# Altium PCB WinterLab.PcbDoc
Units mil, origin at the board's own origin, x right, y up, seen from the top; angles counter-clockwise.
Board outline 2500 x 1300 mil, 4 copper layers (Top Layer, Signal Layer 1, Signal Layer 2, Bottom Layer), stack 30.634 mil thick; 83 components, 53 nets, 279 pads, 81 vias.
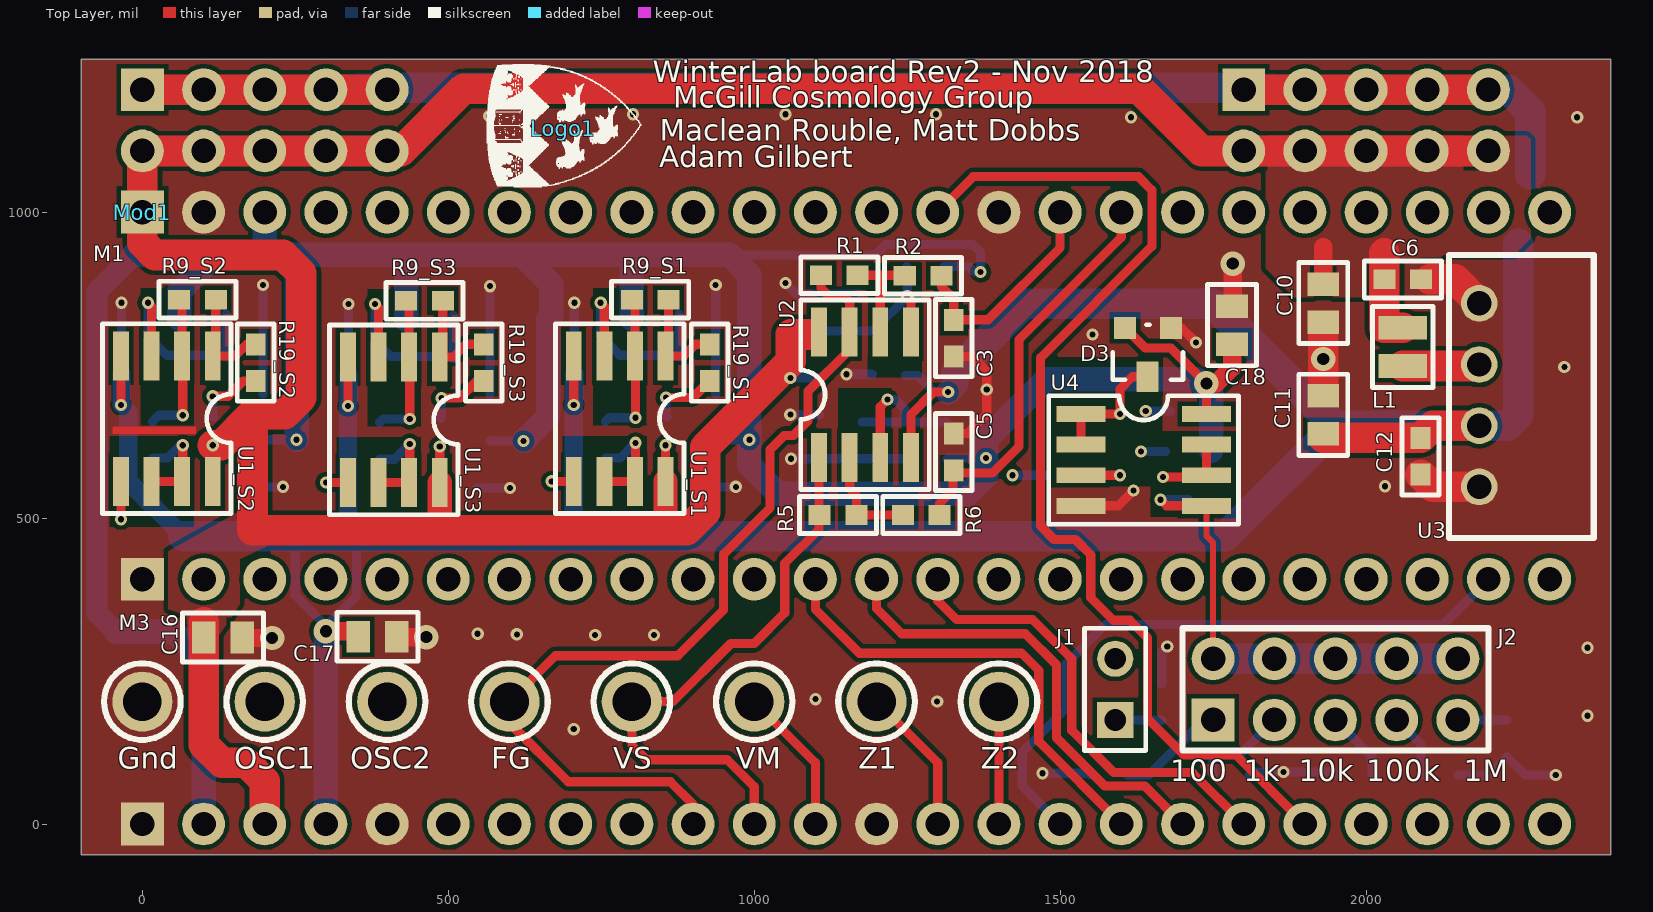
[diagram p0: Top Layer view]
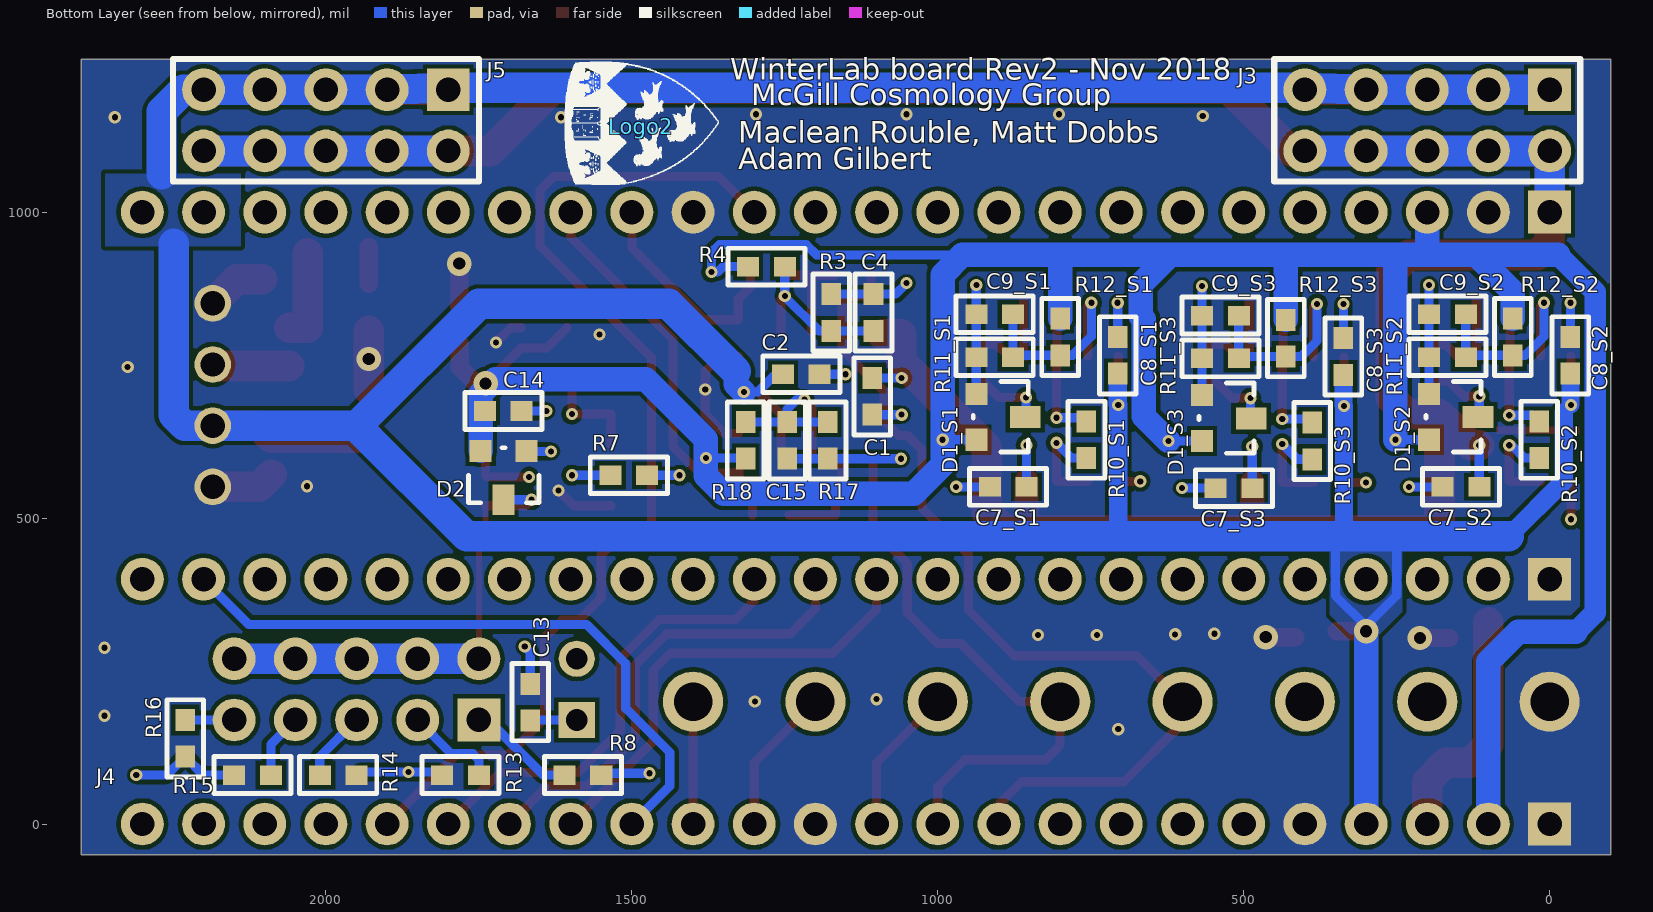
[diagram p1: Bottom Layer view, seen from below]
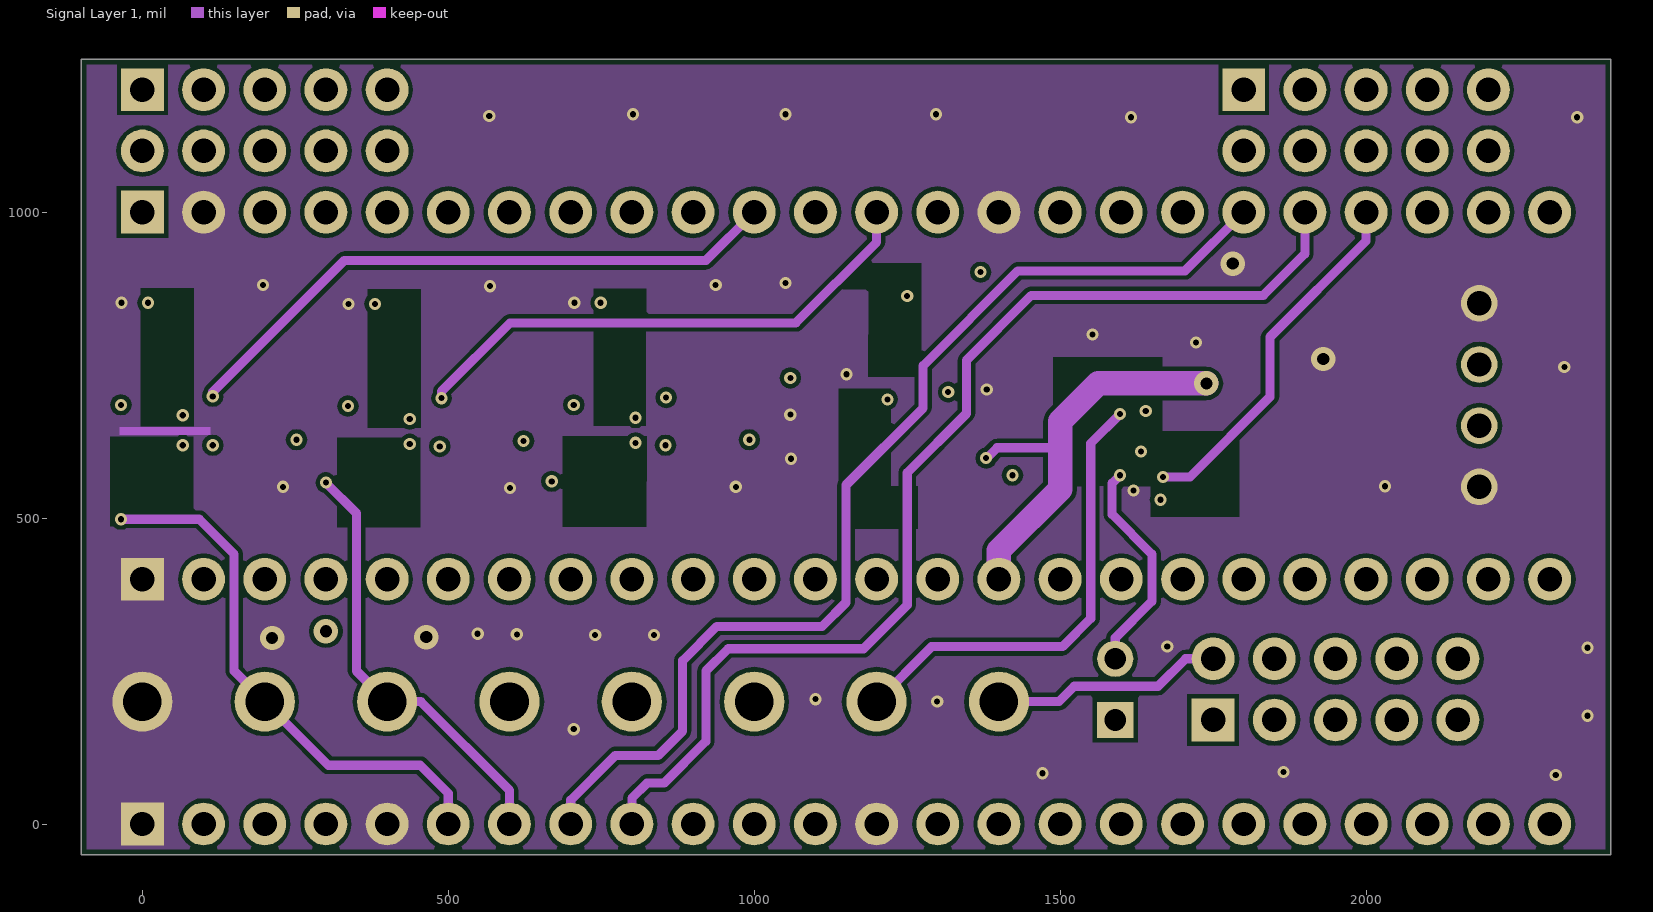
[diagram p2: Signal Layer 1]
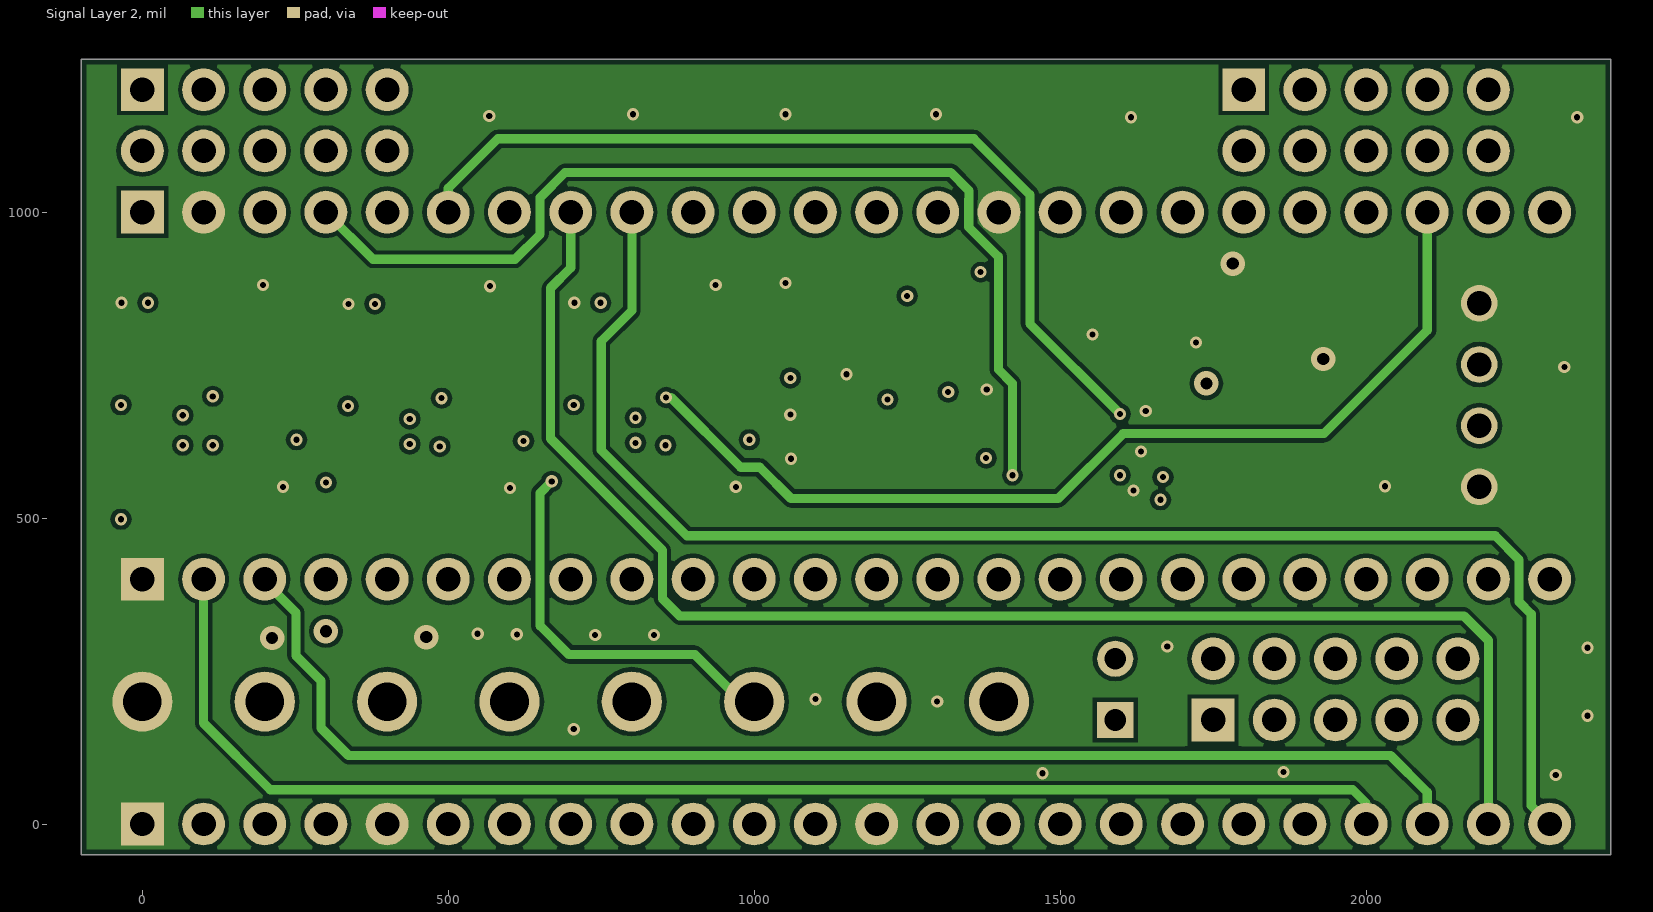
[diagram p3: Signal Layer 2]

## Layer stack, top to bottom
Top Solder: solder mask 0.4, Solder Resist, Dk 3.5
Top Layer: signal copper 1.4
Dielectric 1: core 10, FR-4, Dk 4.2
Signal Layer 1: signal copper 1.417
Dielectric 3: prepreg 5, Dk 4.2
Signal Layer 2: signal copper 1.417
Dielectric 2: core 10, Dk 4.2
Bottom Layer: signal copper 1.4
Bottom Solder: solder mask 0.4, Solder Resist, Dk 3.5

## Board outline
-100,-50 -100,1250 2400,1250 2400,-50

## Design rules (kind name [scope] priority, off if disabled: settings)
Clearance Clearance_Polygon [All vs (ObjectKind = 'Poly')] p1: gap=10 ignorepadtopadclearanceinfootprint=FALSE
Clearance [All] p2: gap=7 ignorepadtopadclearanceinfootprint=FALSE
MinimumSolderMaskSliver [All] p1: minsoldermaskwidth=5
PolygonConnect [All] p1: connectstyle=Direct reliefconductorwidth=10 reliefentries=4 polygonreliefangle="90 Angle" airgapwidth=10
RoomDefinition S4 [InComponentClass('S4')] p1: confinementstyle=ConfineIn formatcopy=TRUE lockcomponents=FALSE outline 1060,461 1370,461 1370,955 1060,955
RoomDefinition S3 [InComponentClass('S3')] p2: confinementstyle=ConfineIn formatcopy=TRUE lockcomponents=FALSE outline 649,899 292,899 292,491 649,491
RoomDefinition S2 [InComponentClass('S2')] p3: confinementstyle=ConfineIn formatcopy=TRUE lockcomponents=FALSE outline 278,901 -79,901 -79,493 278,493
RoomDefinition S1 [InComponentClass('S1')] p4: confinementstyle=ConfineIn formatcopy=TRUE lockcomponents=FALSE outline 1018,901 661,901 661,493 1018,493
RoomDefinition ME1 [InComponentClass('ME1')] p5: confinementstyle=ConfineIn formatcopy=TRUE lockcomponents=FALSE outline 1428,36 2274,36 2274,843 1428,843
RoutingVias [All] p1: holewidth=10 width=20 viastyle="Through Hole" minholewidth=10 minwidth=20 maxholewidth=100 maxwidth=100
SilkToSilkClearance [All] p1: silktosilkclearance=0
SilkToSolderMaskClearance [IsPad] p1: minsilkscreentomaskgap=5 clearancetoexposedcopper=TRUE
SolderMaskExpansion [All] p1: expansion=4
Width [All] p1: maxlimit=200 minlimit=7 preferedwidth=15
27 further rules are at their usual default settings.

## Classes and differential pairs
channel class LevelShiftADC: S1 S2 S3
component class S4: C1 C2 C3 C4 C5 C15 R1 R2 R3 R4 R5 R6 R17 R18 U2
component class S3: C7_S3 C8_S3 C9_S3 D1_S3 R9_S3 R10_S3 R11_S3 R12_S3 R19_S3 U1_S3
component class S2: C7_S2 C8_S2 C9_S2 D1_S2 R9_S2 R10_S2 R11_S2 R12_S2 R19_S2 U1_S2
component class S1: C7_S1 C8_S1 C9_S1 D1_S1 R9_S1 R10_S1 R11_S1 R12_S1 R19_S1 U1_S1
component class ME1: C13 C14 D2 D3 J1 J2 R7 R8 R13 R14 R15 R16 U4
component class TopLevel: C6 C10 C11 C12 C16 C17 C18 FG Gnd J3 J4 J5 L1 Logo1 Logo2 M1 M3 Mod1 OSC1 OSC2 U3 VM VS Z1 Z2

## Components (designator, comment, footprint, x,y, rotation, side; value= is the part's Value field where it differs from the comment)
C1 "0.1uF" 0603 1107,669 r90 bottom value="0.1uF 25V"
C2 "0.1uF" 0603 1253,735 r180 bottom value="0.1uF 25V"
C3 "47pF" 0603 1326,764 r90 top value="47pF 16V"
C4 "0.1uF" 0603 1105,866 r270 bottom value="0.1uF 25V"
C5 "47pF" 0603 1326,638 r270 top value="47pF 16V"
C6 "330pF" 0603 2030,890 r0 top value="330pF, 50V"
C7_S1 "0.1uF" 0603 915,551 r180 bottom value="0.1uF 25V" (schematic designator C7)
C7_S2 "0.1uF" 0603 175,551 r180 bottom value="0.1uF 25V" (schematic designator C7)
C7_S3 "0.1uF" 0603 546,549 r180 bottom value="0.1uF 25V" (schematic designator C7)
C8_S1 "0.1uF" 0603 706,736 r90 bottom value="0.1uF 25V" (schematic designator C8)
C8_S2 "0.1uF" 0603 -34,736 r90 bottom value="0.1uF 25V" (schematic designator C8)
C8_S3 "0.1uF" 0603 337,734 r90 bottom value="0.1uF 25V" (schematic designator C8)
C9_S1 "0.1uF" 0603 937,833 r180 bottom value="0.1uF 25V" (schematic designator C9)
C9_S2 "0.1uF" 0603 197,833 r180 bottom value="0.1uF 25V" (schematic designator C9)
C9_S3 "0.1uF" 0603 568,831 r180 bottom value="0.1uF 25V" (schematic designator C9)
C10 "10uF" 0805 1930,820 r90 top value="10uF 16V"
C11 "10uF" 0805 1930,637.5 r90 top value="10uF 16V"
C12 "330pF" 0603 2089,571 r90 top value="330pF, 50V"
C13 "0.1uF" 0603 1666,229 r270 bottom value="0.1uF 25V"
C14 "0.1uF" 0603 1680,675 r0 bottom value="0.1uF 25V"
C15 "0.1uF" 0603 1246,597 r90 bottom value="0.1uF 25V"
C16 "10uF" 0805 163,305 r180 top value="10uF 16V"
C17 "10uF" 0805 415.5,306 r180 top value="10uF 16V"
C18 "10uF" 0805 1781,846.5 r270 top value="10uF 16V"
D1_S1 "BAT54SLT1G" SOT23 857,665 r270 bottom (schematic designator D1)
D1_S2 "BAT54SLT1G" SOT23 117,665 r270 bottom (schematic designator D1)
D1_S3 "BAT54SLT1G" SOT23 488,663 r270 bottom (schematic designator D1)
D2 "BAT54SLT1G" SOT23 1710,530 r0 bottom
D3 "BAT54SLT1G" SOT23 1643,731 r180 top
FG "Test Point" TESTPOINT 600,200 r0 top
Gnd "Long Green Test Point" TESTPOINT 0,200 r0 top
J1 "Header 2pin 0.1\"" HDR1X2 1590,170 r90 top
J2 "Header 2 x 5pin 0.1\"" Header2x5 1750,170 r0 top
J3 "Header 2 x 5pin 0.1\"" Header2x5 0,1200 r0 bottom
J4 "24 Pin Header" HEADER24MALE 0,0 r0 bottom
J5 "Header 2 x 5pin 0.1\"" Header2x5 1800,1200 r0 bottom
L1 "22uH" 0806 2060,811 r270 top value="22uH, 240mA, 2.3 Ohm"
Logo1 "McGillLogo" McGillLogo1 688,1136 r90 top
Logo2 "McGillLogo" McGillLogo1 1485,1140 r90 bottom
M1 "Teensy 3.6 SideB" HEADER24FEMALE 0,1000 r0 top
M3 "Teensy 3.6 SideA" HEADER24FEMALE 0,400 r0 top locked
Mod1 "Teensy 3.6 3D model" "Teensy3.6 Model No pins" 0,1000 r270 top locked
OSC1 "Test Point" TESTPOINT 200,200 r0 top
OSC2 "Test Point" TESTPOINT 400,200 r180 top
R1 "Res0603" 0603 1169,897 r180 top value=3k
R2 "Res0603" 0603 1306,896 r180 top value=1k
R3 "Res0603" 0603 1174,866 r270 bottom value=1.21k
R4 "Res0603" 0603 1250,911 r0 bottom value=2k
R5 "Res0603" 0603 1167,505 r180 top value=3k
R6 "Res0603" 0603 1303,505 r180 top value=1k
R7 "Res0603" 0603 1535,570 r180 bottom value=1k
R8 "Res0603" 0603 1550,80 r0 bottom value=100
R9_S1 "Res0603" 0603 800,857 r0 top value=1k (schematic designator R9)
R9_S2 "Res0603" 0603 60,857 r0 top value=1k (schematic designator R9)
R9_S3 "Res0603" 0603 431,855 r0 top value=1k (schematic designator R9)
R10_S1 "Res0603" 0603 757,598 r90 bottom value=3k (schematic designator R10)
R10_S2 "Res0603" 0603 17,598 r90 bottom value=3k (schematic designator R10)
R10_S3 "Res0603" 0603 388,596 r90 bottom value=3k (schematic designator R10)
R11_S1 "Res0603" 0603 937,763 r180 bottom value=1.21k (schematic designator R11)
R11_S2 "Res0603" 0603 197,763 r180 bottom value=1.21k (schematic designator R11)
R11_S3 "Res0603" 0603 568,761 r180 bottom value=1.21k (schematic designator R11)
R12_S1 "Res0603" 0603 800,766 r90 bottom value=2k (schematic designator R12)
R12_S2 "Res0603" 0603 60,766 r90 bottom value=2k (schematic designator R12)
R12_S3 "Res0603" 0603 431,764 r90 bottom value=2k (schematic designator R12)
R13 "Res0603" 0603 1810,80 r180 bottom value=1k
R14 "Res0603" 0603 1950,80 r0 bottom value=10k
R15 "Res0603" 0603 2150,80 r180 bottom value=100k
R16 "Res0603" 0603 2230,110 r90 bottom value=1M
R17 "Res0603" 0603 1180,597 r90 bottom value=1.21k
R18 "Res0603" 0603 1314,657 r270 bottom value=2k
R19_S1 "Res0603" 0603 927,784 r270 top value=100 (schematic designator R19)
R19_S2 "Res0603" 0603 185,784 r270 top value=100 (schematic designator R19)
R19_S3 "Res0603" 0603 558,784 r270 top value=100 (schematic designator R19)
U1_S1 "LT6231CS8#PBF" SO8 855,765 r270 top (schematic designator U1)
U1_S2 "LT6231CS8#PBF" SO8 115,765 r270 top locked (schematic designator U1)
U1_S3 "LT6231CS8#PBF" SO8 486,763 r270 top (schematic designator U1)
U2 "LT6231CS8#PBF" SO8 1106,599 r90 top locked
U3 "RFM-0505S" RFM-0505S 2185,851 r270 top
U4 "LT6231CS8#PBF" SO8 1534,670 r0 top locked
VM "Test Point" TESTPOINT 1000,200 r0 top
VS "Test Point" TESTPOINT 800,200 r0 top
Z1 "Test Point" TESTPOINT 1200,200 r0 top
Z2 "Test Point" TESTPOINT 1400,200 r0 top

## Footprints (in the part's own frame and the unit in brackets; to place one, negate y for a bottom-side part, rotate by r counter-clockwise, add the part's x,y. Pads: shape width x height; smd on the part's side, far side on the other; paste and mask are expansions set on the pad)
0603 [mil]
  rect 36x32 smd: 1(0,0) 2(60,0)
  silkscreen extent -33,-30 93,30
0805 [mil]
  rect 38.5x52 smd: 1(0,0) 2(62.5,0)
  silkscreen extent -35,-40 98,40
0806 [mil]
  rect 38.5x78.74 smd: 1(0,0) 2(62.5,0)
  silkscreen extent -35,-49 98,49
HDR1X2 [mm] "Connector; Header; 2 Position"
  rect 1.5x1.5 hole 0.9: 1(0,0)
  round 1.5 hole 0.9: 2(2.54,0)
  silkscreen extent -1.27,-1.27 3.81,1.27
Header2x5 [mil]
  rect 70x70 hole 40: 1(0,0)
  round 70 hole 40: 2(0,100) 3(100,0) 4(100,100) 5(200,0) 6(200,100) 7(300,0) 8(300,100) 9(400,0) 10(400,100)
  silkscreen extent -50,-50 450,150, body extent -46,-54 454,146, height 336
HEADER24FEMALE [mil] "Header24Female"
  rect 70x70 hole 40: 1(0,0)
  round 70 hole 40: 2(100,0) 3(200,0) 4(300,0) 5(400,0) 6(500,0) 7(600,0) 8(700,0) 9(800,0) 10(900,0) 11(1000,0) 12(1100,0) 13(1200,0) 14(1300,0) 15(1400,0) 16(1500,0) 17(1600,0) 18(1700,0) 19(1800,0) 20(1900,0) 21(2000,0) 22(2100,0) 23(2200,0) 24(2300,0)
  body extent -60,-50 2360,50, height 335
HEADER24MALE [mil] "Header24Male"
  rect 70x70 hole 40: 1(0,0)
  round 70 hole 40: 2(100,0) 3(200,0) 4(300,0) 5(400,0) 6(500,0) 7(600,0) 8(700,0) 9(800,0) 10(900,0) 11(1000,0) 12(1100,0) 13(1200,0) 14(1300,0) 15(1400,0) 16(1500,0) 17(1600,0) 18(1700,0) 19(1800,0) 20(1900,0) 21(2000,0) 22(2100,0) 23(2200,0) 24(2300,0)
  body extent -50,-50 2350,50, height 336
McGillLogo1 [mil] "McGillLogo"
  silkscreen extent -95,-127 106,124
RFM-0505S [mil]
  round 60 hole 40: 1(0,0) 2(100,0) 3(200,0) 4(300,0)
  silkscreen extent -79,-49 384,187, body extent -78,-49 383,186, height 394
SO8 [mil]
  rect 80x26 smd: 1(0,0) 2(0,-50) 3(0,-100) 4(0,-150) 5(205,-150) 6(205,-100) 7(205,-50) 8(205,0)
  silkscreen extent -53,-180 258,30
SOT23 [mil]
  rect 36x36 smd: 1(-38,-80) 2(37,-80)
  rect 36x50 smd: 3(0,0)
  silkscreen extent -58,-85 57,5
"Teensy3.6 Model No pins" [mil]
  body extent -50,-65 650,2350, height 607
TESTPOINT [mm] "Test Point with Loop - 1.6mm hole"
  round 2.5 hole 1.6: 0(0,0)
  silkscreen extent -1.59,-1.59 1.59,1.59, body extent -1.6,-1.59 1.57,1.58, height 8.13

## Part data
C1 C2 C4 C7_S1 C7_S2 C7_S3 C8_S1 C8_S2 C8_S3 C9_S1 C9_S2 C9_S3 C13 C14 C15: library part Cap0603, "Capacitor, Ceramic, 0603", Manufacturer="Samsung Electro-Mechanics", Manufacturers Part Number=CL10A104KA8NNNC, Supplier Part Number 1=1276-1857-1-ND, Assembly Comments=none, Loaded=True, Part constraints=CL10A104KA8NNNC, Supplier 1=Digi-Key, SupplierUnitCost=$0.02092
C3 C5: library part Cap0603, "Capacitor, Ceramic, 0603", Manufacturer="Wurth Electronics Inc.", Manufacturers Part Number=885012006021, Supplier Part Number 1=732-7764-1-ND, Assembly Comments=none, Loaded=True, Part constraints=885012006021, Supplier 1=Digi-Key, SupplierUnitCost=$0.02990
C6 C12: library part Cap0603, "Capacitor, Ceramic, 0603", Manufacturer=Yageo, Manufacturers Part Number=CC0603KRX7R9BB331, Supplier Part Number 1=311-1186-1-ND, Assembly Comments=none, Loaded=True, Part constraints=CC0603KRX7R9BB331, Supplier 1=Digi-Key, SupplierUnitCost=$0.0449
C10 C11 C16 C17 C18: library part Cap0805, "0805", Manufacturer="Taiyo Yuden", Manufacturers Part Number=EMK212BJ106KG-T, Supplier Part Number 1=587-1295-1-ND, Assembly Comments=none, Loaded=True, Part constraints=EMK212BJ106KG-T, Supplier 1=Digi-Key, SupplierUnitCost=$0.078
D1_S1 D1_S2 D1_S3 D2 D3: library part DiodeClamp, Manufacturer="ON Semiconductor", Supplier Part Number 1=BAT54SLT1GOSCT-ND, Assembly Comments=none, Loaded=True, Manufacturers Part Number=BAT54SLT1G, Part constraints=BAT54SLT1G, Supplier 1=Digi-Key, SupplierUnitCost=$0.132
FG: library part TestPoint, Manufacturer="Keystone Electronics", Manufacturers Part Number="Red - 5005", Supplier Part Number 1=36-5005-ND, Assembly Comments=none, Loaded=True, Param=Red, Part constraints=5005, Supplier 1=Digi-Key, SupplierUnitCost=$0.15
Gnd: library part TestPoint, "Test Point", Manufacturer="Keystone Electronics", Manufacturers Part Number="Green - 5126", Supplier Part Number 1=36-5126-ND, Assembly Comments=none, Loaded=True, Param=Green, Part constraints=5126, Supplier 1=Digi-Key, SupplierUnitCost=$0.15
J1: library part Header2, "Header, 0.1\", 2-Pin straight (Any equivalent - may need to be value added)", Manufacturer="Wurth Electronics Inc.", Manufacturers Part Number=61300211121, Supplier Part Number 1=732-5315-ND, Assembly Comments=none, Loaded=True, Part constraints=61300211121, Supplier 1=Digi-Key, SupplierUnitCost=$0.10480
J2 J3 J5: library part Header2x5, "Header, 0.1\", 2 row 5 pins", Manufacturer="Wurth Electronics Inc.", Manufacturers Part Number=61301021121, Supplier Part Number 1=732-2672-ND, Assembly Comments=none, Loaded=True, Part constraints=61301021121, Supplier 1=Digi-Key, SupplierUnitCost=$1.11012
J4: Manufacturer="Wurth Electronics Inc.", Manufacturers Part Number=61302411121, Supplier Part Number 1=732-5331-ND, Assembly Comments=none, Loaded=True, Part constraints=61302411121, Supplier 1=Digi-Key, SupplierUnitCost=$0.93
L1: library part CBC2016T220M, "0805", Manufacturer="Taiyo Yuden", Supplier Part Number 1=587-1609-1-ND, Assembly Comments=none, Loaded=True, Manufacturers Part Number=CBC2016T220M, Part constraints=CBC2016T220M, Supplier 1=Digi-Key, SupplierUnitCost=$0.23
Logo1 Logo2: library part Logo
M1: "Teensy 3.6 SideA", Manufacturer="Sullins Connector Solutions", Manufacturers Part Number=PPPC241LFBN-RC, Supplier Part Number 1=S7057-ND, Assembly Comments=none, Loaded=True, Part constraints=PPPC241LFBN-RC, Supplier 1=Digi-Key, SupplierUnitCost=$1.57
M3: Manufacturer="Sullins Connector Solutions", Manufacturers Part Number=PPPC241LFBN-RC, Supplier Part Number 1=S7057-ND, Assembly Comments=none, Loaded=True, Part constraints=PPPC241LFBN-RC, Supplier 1=Digi-Key, SupplierUnitCost=$1.57
Mod1: Manufacturer="SparkFun Electronics", Manufacturers Part Number=DEV-14058, Supplier Part Number 1=1568-1465-ND, Assembly Comments=none, Loaded=True, Part constraints=DEV-14058, Supplier 1=Digi-Key, SupplierUnitCost=$55.61
OSC1 OSC2: library part TestPoint, Manufacturer="Keystone Electronics", Manufacturers Part Number="Purple - 5124", Supplier Part Number 1=36-5124-ND, Assembly Comments=none, Loaded=True, Param=Purple, Part constraints=5124, Supplier 1=Digi-Key, SupplierUnitCost=$0.15
R1 R5 R10_S1 R10_S2 R10_S3: "Resistor", Manufacturer="Vishay Dale", Manufacturers Part Number=CRCW06033K00FKEAC, Supplier Part Number 1=541-4040-1-ND, Assembly Comments=none, Loaded=True, Part constraints=CRCW06033K00FKEAC, Supplier 1=Digi-Key, SupplierUnitCost=$0.018
R2 R6 R7 R9_S1 R9_S2 R9_S3 R13: "Resistor", Manufacturer=Yageo, Manufacturers Part Number=RC0603FR-071KL, Supplier Part Number 1=311-1.00KHRCT-ND, Assembly Comments=none, Loaded=True, Part constraints=RC0603FR-071KL, Supplier 1=Digi-Key, SupplierUnitCost=$0.016
R3 R11_S1 R11_S2 R11_S3 R17: "Resistor", Manufacturer=Yageo, Manufacturers Part Number=RMCF0603FT1K21, Supplier Part Number 1=RMCF0603FT1K21CT-ND, Assembly Comments=none, Loaded=True, Part constraints=RMCF0603FT1K21, Supplier 1=Digi-Key, SupplierUnitCost=$0.0107
R4 R12_S1 R12_S2 R12_S3 R18: "Resistor", Manufacturer="Vishay Dale", Manufacturers Part Number=CRCW06032K00FKEAC, Supplier Part Number 1=541-3953-1-ND, Assembly Comments=none, Loaded=True, Part constraints=CRCW06032K00FKEAC, Supplier 1=Digi-Key, SupplierUnitCost=$0.01180
R8 R19_S1 R19_S2 R19_S3: "Resistor", Manufacturer=Yageo, Manufacturers Part Number=RC0603FR-07100RL, Supplier Part Number 1=311-100HRCT-ND, Assembly Comments=none, Loaded=True, Part constraints=RC0603FR-07100RL, Supplier 1=Digi-Key, SupplierUnitCost=$0.016
R14: "Resistor", Manufacturer=Yageo, Manufacturers Part Number=RC0603FR-0710KL, Supplier Part Number 1=311-10.0KHRCT-ND, Assembly Comments=none, Loaded=True, Part constraints=RC0603FR-0710KL, Supplier 1=Digi-Key, SupplierUnitCost=$0.016
R15: "Resistor", Manufacturer=Yageo, Manufacturers Part Number=AC0603FR-07100KL, Supplier Part Number 1=311-100KLDCT-ND, Assembly Comments=none, Loaded=True, Part constraints=AC0603FR-07100KL, Supplier 1=Digi-Key, SupplierUnitCost=$0.019
R16: "Resistor", Manufacturer=Yageo, Manufacturers Part Number=AC0603FR-071ML, Supplier Part Number 1=311-1MLDCT-ND, Assembly Comments=none, Loaded=True, Part constraints=AC0603FR-071ML, Supplier 1=Digi-Key, SupplierUnitCost=$0.019
U1_S1 U1_S2 U1_S3 U2: library part TSH82IYDT, "Dual R-R Opamp Soic 8 215Mhz GBP", Manufacturer="Linear Technology/Analog Devices", Manufacturers Part Number=LT6231CS8, Supplier Part Number 1=LT6231CS8#PBF-ND, Assembly Comments=none, Loaded=True, Part constraints=LT6231CS8, Supplier 1=Digi-Key, SupplierUnitCost=$3.5
U3: "5V->5V DC-DC converter", Manufacturer="Recom Power", Supplier Part Number 1=945-3159-ND, Assembly Comments=none, Loaded=True, Manufacturers Part Number=RFM-0505S, Part constraints=RFM-0505S, Supplier 1=Digi-Key, SupplierUnitCost=$1.24
U4: library part TSH82IYDT, "Dual R-R Opamp Soic 8 70Mhz GBP", Manufacturer="Linear Technology/Analog Devices", Manufacturers Part Number=LT6231CS8, Supplier Part Number 1=LT6231CS8#PBF-ND, Assembly Comments=none, Loaded=True, Part constraints=LT6231CS8, Supplier 1=Digi-Key, SupplierUnitCost=$3.5
VM: library part TestPoint, Manufacturer="Keystone Electronics", Manufacturers Part Number="Yellow - 5009", Supplier Part Number 1=36-5009-ND, Assembly Comments=none, Loaded=True, Param=Yellow, Part constraints=5009, Supplier 1=Digi-Key, SupplierUnitCost=$0.15
VS: library part TestPoint, Manufacturer="Keystone Electronics", Manufacturers Part Number="Orange - 5008", Supplier Part Number 1=36-5008-ND, Assembly Comments=none, Loaded=True, Param=Orange, Part constraints=5008, Supplier 1=Digi-Key, SupplierUnitCost=$0.15
Z1 Z2: library part TestPoint, Manufacturer="Keystone Electronics", Manufacturers Part Number="Blue - 5122", Supplier Part Number 1=36-5122-ND, Assembly Comments=none, Loaded=True, Param=Blue, Part constraints=5122, Supplier 1=Digi-Key, SupplierUnitCost=$0.15

## Via types
v1: diameter 20, hole 10, Top Layer to Bottom Layer, 75 vias
v2: diameter 40, hole 20, Top Layer to Bottom Layer, 6 vias

## Nets (pads, with @x,y where several pads share a name; then routed paths per layer and width w, separated by ;. In a path a pad name is that pad's centre, name@x,y a point inside that pad or via, vN(x,y) a via of type N, cw(c..) or ccw(c..) an arc to the next point about the centre after c; other vN are vias at no path point)
1.23V_S1: C9_S1.2 R11_S1.2 R12_S1.1 U1_S1.3 | length 356.6
  Top Layer w15: v1(749,852) 755,846 U1_S1.3
  Bottom Layer w15: v1(749,852) 749,797 780,766 R12_S1.1 874,766 R11_S1.2 C9_S1.2
1.23V_S2: C9_S2.2 R11_S2.2 R12_S2.1 U1_S2.3 | length 356.6
  Top Layer w15: v1(9,852) 15,846 U1_S2.3
  Bottom Layer w15: v1(9,852) 9,797 40,766 R12_S2.1 134,766 R11_S2.2 C9_S2.2
1.23V_S3: C9_S3.2 R11_S3.2 R12_S3.1 U1_S3.3 | length 359.5
  Top Layer w15: v1(380,850) 386,844 U1_S3.3
  Bottom Layer w15: v1(380,850) 380,790 406,764 R12_S3.1 505,764 R11_S3.2 C9_S3.2
3V3: C14.2 C18.2 D1_S1.2 D1_S2.2 D1_S3.2 D2.2 D3.2 J4.2 M1.3 M3.15 R4.2 R12_S1.2 R12_S2.2 R12_S3.2 R18.2 U4.8 | length 6217.6
  Top Layer w15: D3.2 1639,778 1681,778 v2(1739,720) U4.8
  Top Layer w30: v2(1739,720) 1755,720 1781,746 C18.2
  Signal Layer 1 w15: v1(1379,598) 1380,598 1397,615 1500,615
  Signal Layer 1 w40: M3.15 1400,447 1500,547 1500,615 1500,658 1562,720 v2(1739,720)
  Bottom Layer w15: D1_S2.2@198,629 D1_S2.2 v1(252,628) ; D1_S3.2@569,627 D1_S3.2 v1(623,626) ; D1_S1.2@938,629 D1_S1.2 v1(992,628) ; 960,930 1198,930 1215,947 1357,947 1370,934 v1(1370,902) 1360,902 1351,911 R4.2 ; R18.2@1315,596 1317,598 v1(1379,598)
  Bottom Layer w35: -43,314 -74.5,345.5 -74.5,869.5 -14,930
  Bottom Layer w40: -43,314 51,314 100,265 J4.2 ; -14,930 120,930 ; R12_S2.2 60,870 120,930 ; 200,933 M1.3 ; v1(252,628) 252,922 260,930 ; R12_S3.2 431,929 430,930 ; v1(623,626) 663,666 663,702.4 664,703.4 664,705.82 663,706.82 663,825.18 668,830.18 668,882 620,930 ; R12_S1.2 800,920 790,930 ; D2.2 1747,703 1723,727 1477,727 1379,629 v1(1379,598) 1379,569 1350,540 1039,540 992,587 v1(992,628) 992,898 960,930 790,930 ; 120,930 260,930 ; 260,930 430,930 ; 430,930 620,930 ; 620,930 790,930
5V: C1.2 C6.1 C7_S1.2 C7_S2.2 C7_S3.2 C10.2 C16.2 J3.2 J3.4 J3.6 J3.8 J3.10 J4.3 J5.2 J5.4 J5.6 J5.8 J5.10 L1.1 M1.1 U1_S1.8 U1_S2.8 U1_S3.8 U2.8 | length 6533.7
  Top Layer w15: U1_S2.8 v1(115,619) ; U1_S3.8 v1(486,617) ; U1_S1.8 v1(855,619)
  Top Layer w20: v1(1059,729) 1059,755 1059,799 1060,800
  Top Layer w30: C10.2 1930,943
  Top Layer w40: 486,503 U1_S3.8 ; 855,505 U1_S1.8
  Top Layer w50: C16.2@100,330 100,130 130,100 170,100 200,70 J4.3 ; v1(115,619) 129,619 180,670 ; 1090,800 1060,800 1060,756 1059,755 920,616 920,510 890,480 180,480 180,670 ; 2030,933 C6.1 2030,811 L1.1 ; J5.10 J5.8 J5.6 J5.4 J5.2 1731,1100 1629,1202 525,1202 423,1100 J3.10 J3.8 J3.6 J3.4 J3.2 M1.1 0,950 20,930 230,930 260,900 260,697 233,670 180,670
  Bottom Layer w15: C7_S2.2 v1(115,619) ; C7_S3.2 v1(486,617) ; C7_S1.2 v1(855,619) ; v1(1059,729) C1.2
  Bottom Layer w50: M1.1 J3.2 J3.4 J3.6 J3.8 J3.10 ; J5.2 J5.4 J5.6 J5.8 J5.10
CS0: J4.17 M3.12 | length 762.3
  Top Layer w15: M3.12 1100,351 1172,279 1437,279 1465,251 1465,135 J4.17
CS1: J4.16 M3.23 | length 1064.7
  Bottom Layer w15: J4.16 1438,62 1438,117 1510,189 1510,262 1574,326 2126,326 M3.23
DA0: C5.2 M1.17 R6.1 | length 661.4
  Top Layer w15: R6.1 1303,524 1325,546 1325,577 C5.2 1330.5,573.5 1389.15,573.5 1433,617.35 1433,792 1600,959 M1.17
DA1: C3.2 M1.16 R2.1 | length 361.2
  Top Layer w15: R2.1 1306,878 1326,858 C3.2 1382,824 1500,942 M1.16
FG: FG.0 J4.10 R1.2 U2.7 | length 1509.4
  Top Layer w15: J4.10 900,32 863,69 696,69 600,165 FG.0 675,275 875,275 950,350 950,441 1026,517 1026,612 1049,635 1064,635 1088,659 1088,707 1156,775 U2.7 1156,854 1147,863 1122,863 1109,876 R1.2
GND: C1.1 C2.2 C3.1 C4.1 C5.1 C6.2 C7_S1.1 C7_S2.1 C7_S3.1 C8_S1.2 C8_S2.2 C8_S3.2 C9_S1.1 C9_S2.1 C9_S3.1 C10.1 C11.2 C12.1 C13.1 C14.1 C15.1 C16.1 C17.1 C18.1 D1_S1.1 D1_S2.1 D1_S3.1 D2.1 D3.1 Gnd.0 J4.1 J4.5 J4.13 M1.2 M1.15 M3.1 R3.1 R8.1 R11_S1.1 R11_S2.1 R11_S3.1 R13.1 R14.1 R15.1 R16.1 R17.1 U3.1 U3.4 U4.4 | length 2640.3
  Top Layer w15: C16.1 C16.1@164,304 ; C5.1 1348,638 1380,670 v1(1380,710) 1380,740 1356,764 C3.1 ; U4.4 1595,520 v1(1620,545) ; D3.1 1698,811 v1(1722,787)
  Top Layer w30: C16.1@164,304 v2(212,304) ; C17.1@416,305.5 v2(464,305.5) ; C18.1@1782,846.5 v2(1782,916)
  Top Layer w50: C11.2@1930,710 v2(1930,760) C10.1@1930,806 ; C12.1 2109,551 U3.4 ; C6.2@2104,890 2146,890 U3.1
  Bottom Layer w15: C8_S2.2 v1(-34,852) ; C7_S2.1 v1(230,551) ; D1_S2.1 R11_S2.1 C9_S2.1 v1(197,881) ; C8_S3.2 v1(337,850) ; C7_S3.1 v1(601,549) ; D1_S3.1 R11_S3.1 C9_S3.1 v1(568,879) ; C8_S1.2 v1(706,852) ; C7_S1.1 v1(970,551) ; D1_S1.1 R11_S1.1 C9_S1.1 v1(937,881) ; v1(1051,884) 1069,866 C4.1 R3.1 ; v1(1059,669) C1.1 ; v1(1060,597) R17.1 C15.1 ; v1(1151,735) C2.2 ; v1(1471,83) 1547,83 R8.1 ; v1(1632,609) D2.1@1672,609 ; v1(1640,675) C14.1 ; C13.1 1666,281 v1(1675,290) ; R13.1 1815,85 v1(1865,85) 1945,85 R14.1 ; R15.1 2200,80 R16.1 2260,80 v1(2310,80)
  other v1: 705,155 2362,177 1299,200 1100,204 2362,288 740,309 836,309 612,310 548,311 2031,552 2324,747 1553,800 1616,1155 2345,1155 567,1157 802,1160 1051,1160 1297,1160
Imp1adc: D3.3 J4.14 M1.6 U4.1 U4.2 Z1.0 | length 2690.5
  Top Layer w15: Z1.0 1300,100 J4.14 ; U4.2 U4.1 v1(1598,670) 1598,711 1618,731 D3.3
  Signal Layer 1 w15: Z1.0 1290,290 1504,290 1550,336 1550,622 v1(1598,670)
  Signal Layer 2 w15: M1.6 500,1039 581,1120 1359,1120 1450.5,1028.5 1450.5,817.5 v1(1598,670)
Imp2adc: M1.21 U4.6 U4.7 | length 718.5
  Top Layer w15: v1(1668,567) 1736,567 U4.6 U4.7
  Signal Layer 1 w15: v1(1668,567) 1712,567 1843,698 1843,796 2000,953 M1.21
ImpDig: M1.4 R7.2 | length 1737.1
  Signal Layer 2 w15: M1.4 377,923 609,923 650,964 650,1024 691,1065 1321,1065 1351,1035 1351,1021 1350.5,1020.5 1350.5,975.5 1399,927 1399,743 1422,720 v1(1422,570)
  Bottom Layer w15: v1(1422,570) R7.2
MISO0: J4.19 M3.14 | length 754.7
  Top Layer w15: M3.14 1300,365 1331,334 1455,334 1519,270 1519,153 1588,84 1716,84 J4.19
MOSI0: J4.18 M3.13 | length 763.5
  Top Layer w15: M3.13 1200,352 1241,311 1443,311 1494,260 1494,141 1573,62 1638,62 J4.18
N5V: C2.1 C8_S1.1 C8_S2.1 C8_S3.1 C11.1 C12.2 C17.2 J3.1 J3.3 J3.5 J3.7 J3.9 J4.4 J5.1 J5.3 J5.5 J5.7 J5.9 U1_S1.4 U1_S2.4 U1_S3.4 U2.4 U3.3 | length 8811.9
  Top Layer w15: v1(-35,685) U1_S2.4 ; v1(336,683) U1_S3.4 ; C17.2@348,315 C17.2@352,311 ; v1(705,685) U1_S1.4 ; U2.4 1256,669 1293,706 v1(1317,706)
  Top Layer w30: v2(300,315) C17.2@348,315
  Top Layer w50: J3.1 J3.3 J3.5 J3.7 J3.9 ; J5.1 J5.3 J5.5 J5.7 J5.9 ; C11.1@1930,631 C12.2 2109,651 U3.3
  Bottom Layer w15: v1(-35,685) v1@-34,686 ; 250,470 250,374 300,324 v2@300,323 ; v2(300,315) v2@300,323 ; 336,474 340,470 348.5,461.5 ; v1(336,683) v1@337,684 ; 348.5,371.5 v2@300,323 ; 350,374 350,470 ; v1(705,685) v1@706,686 ; C2.1@1247,733 1267,733 1294,706 v1(1317,706)
  Bottom Layer w20: v1(-35,685) -23,673
  Bottom Layer w30: v1@-34,686 C8_S2.1 ; -23,673 -23,560.16 67.16,470 ; 336,474 v1(336,683) ; v1@337,684 C8_S3.1 ; 705,475 v1(705,685) ; v1@706,686 C8_S1.1
  Bottom Layer w40: J4.4 v2(300,315) ; v1(1317,706) 1330,719 1330,740
  Bottom Layer w50: J3.1 J3.3 J3.5 J3.7 399,1203 1799,1203 1800.09,1202.97 J5.3 J5.5 J5.7 J5.9 2233,1200 2268.33,1164.67 2268.33,1061.67 ; 67.16,470 250,470 340,470 350,470 710,470 ; 705,475 710,470 ; 1330,740 1440,850 1750,850 1949,651 ; 2249,948 2249,669 2231,651 U3.3 1949,651 ; 710,470 1770,470 1949,649 1949,651
NetC13_2: C13.2 J1.1 | length 76.4
  Bottom Layer w15: J1.1 1665,170 C13.2
NetJ1_2: J1.2 R7.1 U4.3 | length 484.2
  Top Layer w15: U4.3 v1(1598,570)
  Signal Layer 1 w15: J1.2 1590,304 1650,364 1650,441 1585,506 1585,557 v1(1598,570)
  Bottom Layer w15: R7.1 v1(1598,570)
NetJ2_1: J2.1 R8.2 | length 177.3
  Bottom Layer w15: R8.2 1645,80 1735,170 J2.1
NetJ2_3: J2.3 R13.2 | length 171.9
  Bottom Layer w15: R13.2 1750,105 1760,115 1795,115 J2.3 J2.3@1850,150
NetJ2_5: J2.5 R14.2 | length 114.9
  Bottom Layer w15: J2.5 2010,110 R14.2
NetJ2_7: J2.7 R15.2 | length 106.6
  Bottom Layer w15: J2.7 2090,130 R15.2
NetJ2_9: J2.9 R16.2 | length 80
  Bottom Layer w15: J2.9 R16.2
NetL1_2: L1.2 U3.2 | length 126
  Top Layer w50: L1.2 2182.5,748.5 U3.2
NetR1_1: R1.1 R2.2 U2.6 | length 170.8
  Top Layer w15: R1.1 1207,897 ; U2.6 1206,896 1207,897 ; R2.2 1245,897 1207,897
NetR5_1: R5.1 R6.2 U2.2 | length 174.6
  Top Layer w15: U2.2 1156,548 1167,537 R5.1 R6.2
NetR9_S1_1: R9_S1.1 R10_S1.2 U1_S1.2 | length 247
  Top Layer w15: R9_S1.1 805,852 U1_S1.2 806,764 v1(806,664)
  Bottom Layer w15: R10_S1.2 763,664 v1(806,664)
NetR9_S1_2: R9_S1.2 R19_S1.1 U1_S1.1 | length 173.9
  Top Layer w15: R9_S1.2 860,770 U1_S1.1 885,765 904,784 R19_S1.1
NetR9_S2_1: R9_S2.1 R10_S2.2 U1_S2.2 | length 244.6
  Top Layer w15: R9_S2.1 65,852 U1_S2.2 66,764 v1(66,668)
  Bottom Layer w15: R10_S2.2 27,668 v1(66,668)
NetR9_S2_2: R9_S2.2 R19_S2.1 U1_S2.1 | length 171.9
  Top Layer w15: R9_S2.2 120,770 U1_S2.1 152,765 171,784 R19_S2.1
NetR9_S3_1: R9_S3.1 R10_S3.2 U1_S3.2 | length 247
  Top Layer w15: R9_S3.1 436,850 U1_S3.2 437,762 v1(437,662)
  Bottom Layer w15: R10_S3.2 394,662 v1(437,662)
NetR9_S3_2: R9_S3.2 R19_S3.1 U1_S3.1 | length 174.8
  Top Layer w15: R9_S3.2 491,768 U1_S3.1 508,763 529,784 R19_S3.1
NetR10_S1_1: R10_S1.1 U1_S1.6 U1_S1.7 | length 172.8
  Top Layer w15: U1_S1.6 U1_S1.7 806,561 v1(806,623)
  Bottom Layer w15: R10_S1.1 781,598 v1(806,623)
NetR10_S2_1: R10_S2.1 U1_S2.6 U1_S2.7 | length 167.1
  Top Layer w15: U1_S2.6 U1_S2.7 66,561 v1(66,619)
  Bottom Layer w15: R10_S2.1 41,598 62,619 v1(66,619)
NetR10_S3_1: R10_S3.1 U1_S3.6 U1_S3.7 | length 172.8
  Top Layer w15: U1_S3.6 U1_S3.7 437,559 v1(437,621)
  Bottom Layer w15: R10_S3.1 412,596 v1(437,621)
OSC1: J4.6 OSC1.0 U1_S2.5 | length 944.5
  Top Layer w15: v1(-35,498) U1_S2.5
  Signal Layer 1 w15: v1(-35,498) 93,498 150,441 150,250 OSC1.0 304,96 454,96 500,50 J4.6
OSC1adc: D1_S2.3 M1.11 R19_S2.2 | length 1129
  Top Layer w15: v1(115,699) 140,699 165,724 R19_S2.2
  Signal Layer 1 w15: v1(115,699) 115,706 330,921 921,921 M1.11
  Bottom Layer w15: v1(115,699) 115,667 D1_S2.3
OSC2: J4.7 OSC2.0 U1_S3.5 | length 750.5
  Top Layer w15: v1(300,558) U1_S3.5
  Signal Layer 1 w15: v1(300,558) 350,508 350,250 OSC2.0 455,200 600,55 J4.7
OSC2adc: D1_S3.3 M1.13 R19_S3.2 | length 987.7
  Top Layer w15: v1(489,696) 519,696 547,724 R19_S3.2
  Signal Layer 1 w15: v1(489,696) 489,707 601,819 1068,819 1200,951 M1.13
  Bottom Layer w15: D1_S3.3 486,665 489,668 v1(489,696)
RX1: J4.21 M3.2 | length 2223.3
  Signal Layer 2 w15: M3.2 100,165 209,56 1978,56 2000,34 J4.21
SCK0: J4.20 M1.14 | length 1759.6
  Top Layer w15: M1.14 1358,1058 1628,1058 1650,1036 1650,944 1468,762 1468,487 1490,465 1525,465 1550,440 1550,370 1587,333 1614,333 1643,304 1643,172 1702,113 1787,113 J4.20
SCL0: J4.23 M1.8 | length 2399.6
  Signal Layer 2 w15: M1.8 700,909 667,876 667,630 850,447 850,368 878,340 2160,340 2200,300 J4.23
SCL1: J4.9 M1.20 | length 1823.5
  Signal Layer 1 w15: J4.9 800,42 825,67 853,67 921,135 921,250 957.5,286.5 1178.5,286.5 1250,358 1250,574 1347,671 1347,758 1453,864 1832,864 1900,932 M1.20
SDA0: J4.24 M1.9 | length 2436.6
  Signal Layer 2 w15: M1.9 800,839 750,789 750,611 890,471 2211,471 2250,432 2250,363 2270,343 2270,30 J4.24
SDA1: J4.8 M1.19 | length 1757.3
  Signal Layer 1 w15: J4.8 700,39 773,112 843,112 883,152 883,267 939,323 1111,323 1150,362 1150,554 1276,680 1276,749 1431,904 1704,904 M1.19
TX1: J4.22 M3.3 | length 2184.6
  Signal Layer 2 w15: M3.3 200,396.38 251,345.38 251,275 292,234 292,157 337,112 2040,112 2100,52 J4.22
VM: J4.12 U1_S1.5 VM.0 | length 922.7
  Top Layer w15: v1(669,560) U1_S1.5 ; VM.0 1100,100 J4.12
  Signal Layer 2 w15: v1(669,560) 650,541 650,324 697,277 903,277 980,200 VM.0
VMadc: D1_S1.3 M1.22 R19_S1.2 | length 1735.3
  Top Layer w15: v1(856,697) 900,697 R19_S1.2
  Signal Layer 2 w15: v1(856,697) 864,697 978,583 1009,583 1060,532 1497,532 1603,638 1931,638 2100,807 M1.22
  Bottom Layer w15: D1_S1.3@855,667 D1_S1.3@856,666 ; v1(856,697) D1_S1.3@856,666 ; D1_S1.3 D1_S1.3@856,666
VrefA: C4.2 R3.2 R4.1 U2.5 | length 279.1
  Top Layer w15: v1(1250,863) 1256,857 U2.5
  Bottom Layer w15: C4.2 R3.2 1194,806 1250,862 v1(1250,863) 1250,910 R4.1@1249,911
VrefB: C15.2 R17.2 R18.1 U2.3 | length 296.4
  Top Layer w15: U2.3 1206,682 v1(1218,694)
  Bottom Layer w15: R17.2@1176,657 R17.2 C15.2 ; v1(1218,694) 1230,694 1246,678 C15.2 ; R18.1@1316,655 R18.1 C15.2
VS: J4.11 R5.2 U2.1 VS.0 | length 948.8
  Top Layer w15: J4.11 1000,61 956,105 824,105 800,129 VS.0 867,200 962,295 1000,295 1050,345 1050,426 1106,482 R5.2@1106,506 ; U2.1 R5.2@1106,506 ; R5.2 R5.2@1106,506
ZTest2: D2.3 J2.2 J2.4 J2.6 J2.8 J2.10 J4.15 U4.5 Z2.0 | length 1387
  Top Layer w10: U4.5 1739,471 1750,460 J2.2
  Top Layer w15: J4.15 Z2.0 Z2.0@1420,220 ; v1(1664,530) 1674,520 U4.5
  Signal Layer 1 w15: Z2.0 1498,200 1523,225 1660,225 1705,270 J2.2
  Bottom Layer w15: v1(1664,530) D2.3
  Bottom Layer w50: J2.2 J2.4 J2.6 J2.8 J2.10
pads on no net: M1.5 M1.7 M1.10 M1.12 M1.18 M1.23 M1.24 M3.4 M3.5 M3.6 M3.7 M3.8 M3.9 M3.10 M3.11 M3.16 M3.17 M3.18 M3.19 M3.20 M3.21 M3.22 M3.24

## Polygon pours and split planes (outlines as drawn)
GND on Bottom Layer "Bottom Layer-No Net" (solid, remove dead copper, pour order 20): -100,1250 -100,-50 2400,-50 2400,1250
N5V on Bottom Layer "5VTop" (solid, pour order 0): 241,466 241,347 278,310 327,310 359,342 359,466
N5V on Bottom Layer "N5V_L04_P004" (solid, pour order 4): 2361,1063 2139,1063 2139,944 2361,944
GND on Top Layer "Bottom Layer-No Net" (solid, remove dead copper, pour order 18): -100,1250 -100,-50 2400,-50 2400,1250
5V on Top Layer "5VTop" (solid, pour order 2): 75,301 72,341 42,351.37 42,446 154,509 207,456 159.13,433 159.13,359 120,301
5V on Top Layer "5VTop" (solid, pour order 14): 1836,1125 1836,908 1883,861 2029,861 2053.15,885.15 2053.15,920.15 2063,930 2242,930 2269,957 2269,1119 2263,1125
5V on Top Layer "5VTop" (solid, pour order 16): 1864.97,912 1839,952.04 1839,1125 2159,1125 2159,1020 2159,955.33 2122,926 1987,923 1977.96,912
GND on Signal Layer 1 "5VTop" (solid, pour order 8): -91,1241 -91,-41 2391,-41 2391,1241
GND on Signal Layer 2 "5VTop" (solid, pour order 12): -91,1241 -91,-41 2391,-41 2391,1241

## Other copper
Top Layer:
  rectangle net GND: -49,637.42 87.55,649.58
  pour cut-out: 84,876 83.79,652 -3,652 -3,876
  pour cut-out: 84.07,634 83.93,486 -53,486 -53,634
  pour cut-out: 455.07,632 454.93,484 318,484 318,632
  pour cut-out: 455,874 454.79,650 368,650 368,874
  pour cut-out: 824.07,634 823.93,486 687,486 687,634
  pour cut-out: 824,876 823.79,652 737,652 737,876
  pour cut-out: 1648,642.08 1793,641.94 1793,502 1648,502
  pour cut-out: 1489,763.08 1667,762.92 1667,552 1489,552
  pour cut-out: 1146,917 1186.11,917 1186.11,873.11 1146,872.99
  pour cut-out: 1268,553 1268,482 1138,482 1137,481 1137,553
  pour cut-out: 1137,488 1137.21,712 1224,712 1224,488
  pour cut-out: 1185.93,730 1186.11,917 1274,917 1274,730
Signal Layer 1:
  rectangle net GND: -37,636 111,649
  pour cut-out: 84,876 83.79,650 -3,650 -3,876
  pour cut-out: 84.07,634 83.93,486 -53,486 -53,634
  pour cut-out: 455.07,632 454.93,484 318,484 318,632
  pour cut-out: 455,874 454.79,648 368,648 368,874
  pour cut-out: 824.07,634 823.93,486 687,486 687,634
  pour cut-out: 824,876 823.79,650 737,650 737,876
  pour cut-out: 1146,917 1186.11,917 1186.11,873.11 1146,872.99
  pour cut-out: 1185.93,730 1186.11,917 1274,917 1274,730
  pour cut-out: 1137,488 1137.21,712 1224,712 1224,488
  pour cut-out: 1268,553 1268,482 1138,482 1137,481 1137,553
  pour cut-out: 1489,763.08 1667,762.92 1667,552 1489,552
  pour cut-out: 1648,642.08 1793,641.94 1793,502 1648,502

## Silkscreen, mask and mechanical layers (free items; w line width, h text height)
Top Overlay:
  text "WinterLab board Rev2 - Nov 2018" at 834,1201 h60
  text "McGill Cosmology Group" at 868,1159 h60
  text "Maclean Rouble, Matt Dobbs" at 846,1105 h60
  text "Adam Gilbert" at 845,1062 h60
  text "100" at 1680,70 h35
  text "1k" at 1800,70 h35
  text "10k" at 1890,70 h35
  text "100k" at 2000,70 h35
  text "1M" at 2160,70 h35
Bottom Overlay:
  text "WinterLab board Rev2 - Nov 2018" at 1339,1205 h60
  text "McGill Cosmology Group" at 1305,1163 h60
  text "Maclean Rouble, Matt Dobbs" at 1326,1102 h60
  text "Adam Gilbert" at 1326,1059 h60
Top Solder:
  region: 76,610 56,610 56,603 76,603
  rectangle: 1242,847 1255,852
  rectangle: 479,600 493,607
  region: 865,610 845,610 845,603 865,603
  rectangle: -45,507 -25,518
  region: 125,610 105,610 105,603 125,603
  rectangle: 183,291 195,317
  rectangle: 321,306 332,324
  rectangle: 437,291 445,320
Bottom Solder:
  region: 1724,707 1724,687 1754,687 1754,707
  region: 1659,665 1659,685 1649,685 1649,665
  region: 1652,599 1652,619 1641,619 1641,599
  lines w10: 1218,691 1218,688 ; 1218,694 1218,688 ; 1231,675 1218,688
Mechanical 1:
  the board outline again, w10